# Altium PCB ALCT_MEZ_LX100.PcbDoc (part 2 of 10) (continued)
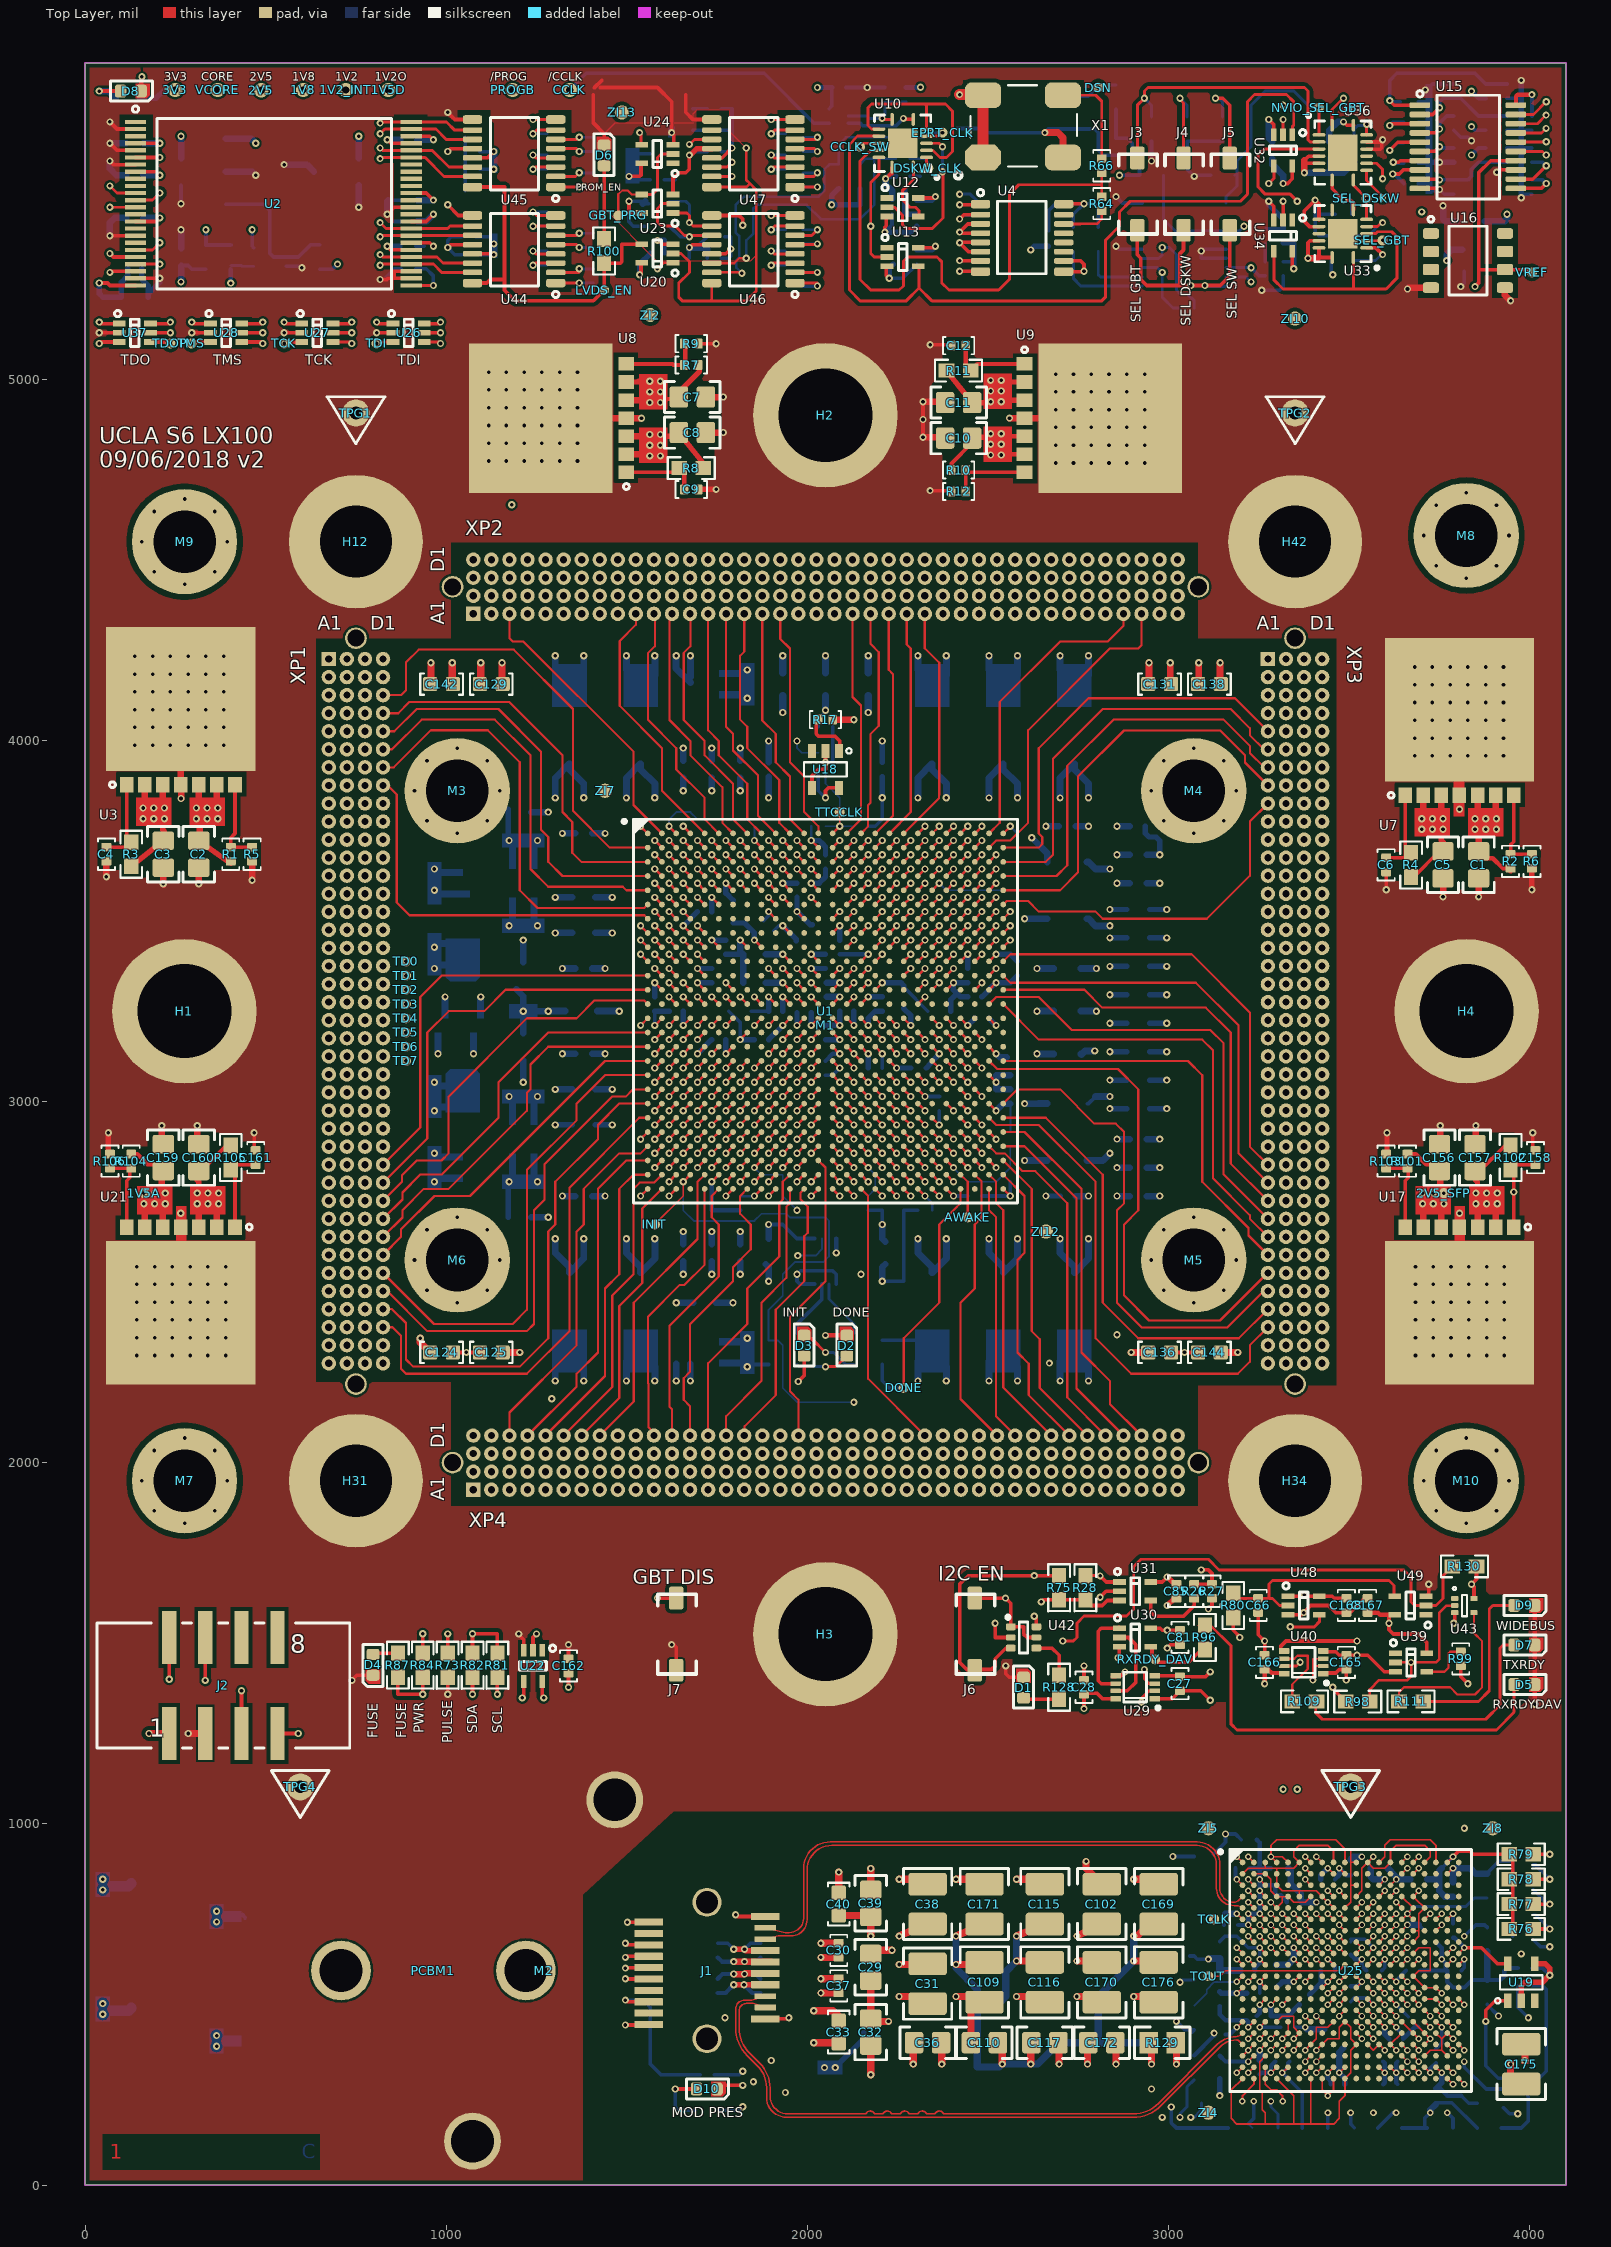
[diagram p0: Top Layer view]
## Part data (continued)
M3 M4 M5 M6 M7 M8 M9 M10: library part Wurth/9774030360R, "9774030360R 3mm SMD Standoff", Case/Package=SMD/SMT, Manufacturer="Wurth Electronics", Manufacturer Part Number=9774030360R, Supplier Part Number 1=732-5270-6-ND, ComponentLink1Description=https://datasheet.ciiva.com/46421/1849514-46421897.pdf, ComponentLink1URL=https://datasheet.ciiva.com/46421/1849514-46421897.pdf, Lead Free="Lead Free", Length=0.173inch, Material=Steel, Mount=External, Outside Diameter=0.236inch, Plating=Tin, Pricing 1="1=1.65, 10=1.523, 50=1.411, 100=1.21 (USD)", REACH SVHC=Unknown, Stock 1=18011, Supplier 1=Digi-Key, Threaded/Unthreaded=Threaded, Thread Size=M3, Width=6mm
PCBM1: "CERN VTRX V2.1 Multi-Mode (MM)", Manufacturer=CERN, Part Number="PCBM_CERN_VTRX V2.1 (MM)_a", Author="CERN DEM JLC", Bonding=No, ComponentHeight=16.5mm, Component Type=Standard, CreateDate=19/12/2013, Device="VTRX-V2.1 (MM)", HelpURL="\\cern.ch\dfs\Applications\Altium\Datasheets\PCBM_CERN_VTRX V2.1 (MM).pdf", LatestRevisionDate=19/12/2013, Manufacturer Part Number="VTRX-V2.1 (MM)", Mounted=Yes, PackageDescription="Versatile Transceiver Module", Part Description="Versatile Transceiver Module VTRX V2.1 Multi-Mode Configuration (MM)", Pin Count=0, PressFit=No, Sense=No, SMD=No, Socket=No
R1 R101: library part ERA-2AEB122X, "RES SMD 1.2K OHM 0.1% 1/16W 0402", Manufacturer="Panasonic Electronic Components", Operating Temperature="-55°C ~ 155°C", Package=0402, Package / Case="0402 (1005 Metric)", Power (Watts)="0.063W, 1/16W", Supplier Part Number 1=P1.2KDCCT-ND, Temperature Coefficient=±25ppm/°C, Tolerance=±0.1%, Category=Resistors, ComponentLink1Description=https://industrial.panasonic.com/cdbs/www-data/pdf/RDM0000/AOA0000C307.pdf, ComponentLink1URL=https://industrial.panasonic.com/cdbs/www-data/pdf/RDM0000/AOA0000C307.pdf, Composition="Thin Film", Failure Rate=-, Features="Automotive AEC-Q200", Height - Seated (Max)="0.016\" (0.40mm)", Manufacturer Part Number=ERA-2AEB122X, Packaging="Cut Tape (CT)", Part Status=Active, Pricing 1="1=0.45, 10=0.321, 100=0.1283, 1000=0.06322, 2500=0.05858, 5000=0.053 (USD)", Pricing 2="1=0.45, 10=0.321, 100=0.1283, 1000=0.06322, 2500=0.05858, 5000=0.053 (USD)", RoHS="RoHS Compliant", Size / Dimension="0.039\" L x 0.020\" W (1.00mm x 0.50mm)", Stock 1=25790, Stock 2=25790, Supplier 1=Digi-Key, Supplier 2=Digi-Key, Supplier Device Package=0402, Supplier Part Number 2=P1.2KDCDKR-ND
R2 R104: library part ERA-2AEB202X, "RES SMD 2.0K OHM 0.1% 1/16W 0402", Manufacturer="Panasonic Electronic Components", Operating Temperature="-55°C ~ 155°C", Package=0402, Package / Case="0402 (1005 Metric)", Power (Watts)="0.063W, 1/16W", Supplier Part Number 1=P2.0KDCDKR-ND, Temperature Coefficient=±25ppm/°C, Tolerance=±0.1%, Category=Resistors, ComponentLink1Description=https://industrial.panasonic.com/cdbs/www-data/pdf/RDM0000/AOA0000C307.pdf, ComponentLink1URL=https://industrial.panasonic.com/cdbs/www-data/pdf/RDM0000/AOA0000C307.pdf, Composition="Thin Film", Failure Rate=-, Features="Automotive AEC-Q200", Height - Seated (Max)="0.016\" (0.40mm)", Manufacturer Part Number=ERA-2AEB202X, Packaging=Digi-Reel®, Part Status=Active, Pricing 1="1=0.45, 10=0.321, 100=0.1283, 1000=0.06322, 2500=0.05858, 5000=0.053 (USD)", Pricing 2="1=0.45, 10=0.321, 100=0.1283, 1000=0.06322, 2500=0.05858, 5000=0.053 (USD)", RoHS="RoHS Compliant", Size / Dimension="0.039\" L x 0.020\" W (1.00mm x 0.50mm)", Stock 1=204508, Stock 2=204508, Supplier 1=Digi-Key, Supplier 2=Digi-Key, Supplier Device Package=0402, Supplier Part Number 2=P2.0KDCCT-ND
R3 R4 R8 R11 R20 R21 R22 R23 R28 R29 R44 R45 R46 R47 R48 R49 R50 R52 R53 R54 R55 R56 R57 R58 R59 R60 R61 R68 R69 R70 R71 R72 R73 R74 R75 R76 R79 R80 R81 R82 R83 R85 R86 R88 R89 R98 R102 R105 R130: library part CR0603-FX-4701ELF, "RES SMD 4.7K OHM 1% 1/10W 0603", Manufacturer="Bourns Inc.", Operating Temperature="-55°C ~ 155°C", Package / Case="0603 (1608 Metric)", Power (Watts)="0.1W, 1/10W", Supplier Device Package=0603, Supplier Part Number 1=CR0603-FX-4701ELFCT-ND, Temperature Coefficient=±100ppm/°C, Tolerance=±1%, Category=Resistors, ComponentLink1Description=http://www.bourns.com/docs/Product-Datasheets/CHPREZTR.pdf, ComponentLink1URL=http://www.bourns.com/docs/Product-Datasheets/CHPREZTR.pdf, Composition="Thick Film", Failure Rate=-, Features="Moisture Resistant", Height - Seated (Max)="0.022\" (0.55mm)", Manufacturer Part Number=CR0603-FX-4701ELF, Packaging="Cut Tape (CT)", Part Status=Active, Pricing 1="1=0.1, 10=0.021, 100=0.0086, 1000=0.00385, 2500=0.00334 (USD)", Pricing 2="1=0.1, 10=0.021, 100=0.0086, 1000=0.00385, 2500=0.00334 (USD)", Resistance (Ohms)=4.7k, RoHS="RoHS Compliant", Size / Dimension="0.063\" L x 0.031\" W (1.60mm x 0.80mm)", Stock 1=43560, Stock 2=43560, Supplier 1=Digi-Key, Supplier 2=Digi-Key, Supplier Part Number 2=CR0603-FX-4701ELFDKR-ND
R5 R103: library part ERA-2AEB301X, "RES SMD 300 OHM 0.1% 1/16W 0402", Manufacturer="Panasonic Electronic Components", Operating Temperature="-55°C ~ 155°C", Package=0402, Package / Case="0402 (1005 Metric)", Power (Watts)="0.063W, 1/16W", Supplier Part Number 1=P300DCCT-ND, Temperature Coefficient=±25ppm/°C, Tolerance=±0.1%, Category=Resistors, ComponentLink1Description=https://industrial.panasonic.com/cdbs/www-data/pdf/RDM0000/AOA0000C307.pdf, ComponentLink1URL=https://industrial.panasonic.com/cdbs/www-data/pdf/RDM0000/AOA0000C307.pdf, Composition="Thin Film", Failure Rate=-, Features="Automotive AEC-Q200", Height - Seated (Max)="0.016\" (0.40mm)", Manufacturer Part Number=ERA-2AEB301X, Packaging="Cut Tape (CT)", Part Status=Active, Pricing 1="1=0.45, 10=0.321, 100=0.1283, 1000=0.06322, 2500=0.05858, 5000=0.053 (USD)", Pricing 2="1=0.45, 10=0.321, 100=0.1283, 1000=0.06322, 2500=0.05858, 5000=0.053 (USD)", RoHS="RoHS Compliant", Size / Dimension="0.039\" L x 0.020\" W (1.00mm x 0.50mm)", Stock 1=31760, Stock 2=31760, Supplier 1=Digi-Key, Supplier 2=Digi-Key, Supplier Device Package=0402, Supplier Part Number 2=P300DCDKR-ND
R6 R25 R106: library part ERA-2AEB102X, "RES SMD 1.0K OHM 0.1% 1/16W 0402", Manufacturer="Panasonic Electronic Components", Operating Temperature="-55°C ~ 155°C", Package=0402, Package / Case="0402 (1005 Metric)", Power (Watts)="0.063W, 1/16W", Supplier Part Number 1=P1.0KDCCT-ND, Temperature Coefficient=±25ppm/°C, Tolerance=±0.1%, Category=Resistors, ComponentLink1Description=https://industrial.panasonic.com/cdbs/www-data/pdf/RDM0000/AOA0000C307.pdf, ComponentLink1URL=https://industrial.panasonic.com/cdbs/www-data/pdf/RDM0000/AOA0000C307.pdf, Composition="Thin Film", Failure Rate=-, Features="Automotive AEC-Q200", Height - Seated (Max)="0.016\" (0.40mm)", Manufacturer Part Number=ERA-2AEB102X, Packaging="Cut Tape (CT)", Part Status=Active, Pricing 1="1=0.45, 10=0.321, 100=0.1283, 1000=0.06322, 2500=0.05858, 5000=0.053 (USD)", Pricing 2="1=0.45, 10=0.321, 100=0.1283, 1000=0.06322, 2500=0.05858, 5000=0.053 (USD)", RoHS="RoHS Compliant", Size / Dimension="0.039\" L x 0.020\" W (1.00mm x 0.50mm)", Stock 1=473705, Stock 2=473705, Supplier 1=Digi-Key, Supplier 2=Digi-Key, Supplier Device Package=0402, Supplier Part Number 2=P1.0KDCDKR-ND
R7 R14 R16 R107 R108: library part ERA-2AEB512X, "RES SMD 5.1K OHM 0.1% 1/16W 0402", Manufacturer="Panasonic Electronic Components", Operating Temperature="-55°C ~ 155°C", Package / Case="0402 (1005 Metric)", Power (Watts)="0.063W, 1/16W", Supplier Device Package=0402, Supplier Part Number 1=P5.1KDCCT-ND, Temperature Coefficient=±25ppm/°C, Tolerance=±0.1%, Category=Resistors, ComponentLink1Description=https://industrial.panasonic.com/cdbs/www-data/pdf/RDA0000/AOA0000C237.pdf, ComponentLink1URL=https://industrial.panasonic.com/cdbs/www-data/pdf/RDA0000/AOA0000C237.pdf, Composition="Thin Film", Failure Rate=-, Features="Automotive AEC-Q200", Height - Seated (Max)="0.016\" (0.40mm)", Manufacturer Part Number=ERA-2AEB512X, Number of Terminations=2, Packaging="Cut Tape (CT)", Part Status=Active, Pricing 1="1=0.61, 50=0.238, 100=0.1913, 250=0.14876, 500=0.1122, 1000=0.0867, 5000=0.0646 (USD)", Pricing 2="1=0.61, 50=0.238, 100=0.1913, 250=0.14876, 500=0.1122, 1000=0.0867, 5000=0.0646 (USD)", Resistance (Ohms)=5.1k, RoHS="RoHS Compliant", Size / Dimension="0.039\" L x 0.020\" W (1.00mm x 0.50mm)", Stock 1=26098, Stock 2=26098, Supplier 1=Digi-Key, Supplier 2=Digi-Key, Supplier Part Number 2=P5.1KDCDKR-ND
R9 R27: library part ERA-2AEB1961X, "RES SMD 1.96K OHM 0.1% 1/16W 0402", Manufacturer="Panasonic Electronic Components", Operating Temperature="-55°C ~ 155°C", Package=0402, Package / Case="0402 (1005 Metric)", Power (Watts)="0.063W, 1/16W", Supplier Part Number 1=P1.96KDCCT-ND, Temperature Coefficient=±25ppm/°C, Tolerance=±0.1%, Category=Resistors, ComponentLink1Description=https://industrial.panasonic.com/cdbs/www-data/pdf/RDM0000/AOA0000C307.pdf, ComponentLink1URL=https://industrial.panasonic.com/cdbs/www-data/pdf/RDM0000/AOA0000C307.pdf, Composition="Thin Film", Failure Rate=-, Features="Automotive AEC-Q200", Height - Seated (Max)="0.016\" (0.40mm)", Manufacturer Part Number=ERA-2AEB1961X, Packaging="Cut Tape (CT)", Part Status=Active, Pricing 1="1=0.45, 10=0.321, 100=0.1283, 1000=0.06322, 2500=0.05858, 5000=0.053 (USD)", Pricing 2="1=0.45, 10=0.321, 100=0.1283, 1000=0.06322, 2500=0.05858, 5000=0.053 (USD)", RoHS="RoHS Compliant", Size / Dimension="0.039\" L x 0.020\" W (1.00mm x 0.50mm)", Stock 1=36796, Stock 2=36796, Supplier 1=Digi-Key, Supplier 2=Digi-Key, Supplier Device Package=0402, Supplier Part Number 2=P1.96KDCDKR-ND
R10: library part ERA-2AEB182X, "RES SMD 1.8k OHM 0.1% 1/16W 0402", Manufacturer="Panasonic Electronic Components", Operating Temperature="-55°C ~ 155°C", Package / Case="0402 (1005 Metric)", Power (Watts)="0.063W, 1/16W", Supplier Device Package=0402, Supplier Part Number 1=P1.8KDCCT-ND, Temperature Coefficient=±25ppm/°C, Tolerance=±0.1%, Category=Resistors, ComponentLink1Description=https://industrial.panasonic.com/cdbs/www-data/pdf/RDA0000/AOA0000C237.pdf, ComponentLink1URL=https://industrial.panasonic.com/cdbs/www-data/pdf/RDA0000/AOA0000C237.pdf, Composition="Thin Film", Failure Rate=-, Features="Automotive AEC-Q200", Height - Seated (Max)="0.016\" (0.40mm)", Manufacturer Part Number=ERA-2AEB182X, Number of Terminations=2, Packaging="Cut Tape (CT)", Part Status=Active, Pricing 1="1=0.6, 50=0.2484, 100=0.2052, 250=0.162, 500=0.13824, 1000=0.10368, 5000=0.07776 (USD)", Pricing 2="1=0.6, 50=0.2484, 100=0.2052, 250=0.162, 500=0.13824, 1000=0.10368, 5000=0.07776 (USD)", Resistance (Ohms)=1.8k, RoHS="RoHS Compliant", Size / Dimension="0.039\" L x 0.020\" W (1.00mm x 0.50mm)", Stock 1=39375, Stock 2=39375, Supplier 1=Digi-Key, Supplier 2=Digi-Key, Supplier Part Number 2=P1.8KDCDKR-ND
R12: library part ERA-2AEB132X, "RES SMD 1.3k OHM 0.1% 1/16W 0402", Manufacturer="Panasonic Electronic Components", Operating Temperature="-55°C ~ 155°C", Package / Case="0402 (1005 Metric)", Power (Watts)="0.063W, 1/16W", Supplier Device Package=0402, Supplier Part Number 1=P1.3KDCCT-ND, Temperature Coefficient=±25ppm/°C, Tolerance=±0.1%, Category=Resistors, ComponentLink1Description=https://industrial.panasonic.com/cdbs/www-data/pdf/RDM0000/AOA0000C307.pdf, ComponentLink1URL=https://industrial.panasonic.com/cdbs/www-data/pdf/RDM0000/AOA0000C307.pdf, Composition="Thin Film", Failure Rate=-, Features="Automotive AEC-Q200", Height - Seated (Max)="0.016\" (0.40mm)", Manufacturer Part Number=ERA-2AEB132X, Packaging="Cut Tape (CT)", Part Status=Active, Pricing 1="1=0.45, 10=0.321, 100=0.1283, 1000=0.06322, 2500=0.05858, 5000=0.053 (USD)", Pricing 2="1=0.45, 10=0.321, 100=0.1283, 1000=0.06322, 2500=0.05858, 5000=0.053 (USD)", RoHS="RoHS Compliant", Size / Dimension="0.039\" L x 0.020\" W (1.00mm x 0.50mm)", Stock 1=249, Stock 2=249, Supplier 1=Digi-Key, Supplier 2=Digi-Key, Supplier Part Number 2=P1.3KDCDKR-ND
R13 R15 R19: library part ERA-2AEB512X, "RES SMD 5.1K OHM 0.1% 1/16W 0402", Manufacturer="Panasonic Electronic Components", Operating Temperature="-55°C ~ 155°C", Package / Case="0402 (1005 Metric)", Power (Watts)="0.063W, 1/16W", Resistance (Ohms)=5.1k, Supplier Device Package=0402, Supplier Part Number 1=P5.1KDCCT-ND, Temperature Coefficient=±25ppm/°C, Tolerance=±0.1%, Category=Resistors, ComponentLink1Description=https://industrial.panasonic.com/cdbs/www-data/pdf/RDA0000/AOA0000C237.pdf, ComponentLink1URL=https://industrial.panasonic.com/cdbs/www-data/pdf/RDA0000/AOA0000C237.pdf, Composition="Thin Film", Failure Rate=-, Features="Automotive AEC-Q200", Height - Seated (Max)="0.016\" (0.40mm)", Manufacturer Part Number=ERA-2AEB512X, Number of Terminations=2, Packaging="Cut Tape (CT)", Part Status=Active, Pricing 1="1=0.61, 50=0.238, 100=0.1913, 250=0.14876, 500=0.1122, 1000=0.0867, 5000=0.0646 (USD)", Pricing 2="1=0.61, 50=0.238, 100=0.1913, 250=0.14876, 500=0.1122, 1000=0.0867, 5000=0.0646 (USD)", RoHS="RoHS Compliant", Size / Dimension="0.039\" L x 0.020\" W (1.00mm x 0.50mm)", Stock 1=26098, Stock 2=26098, Supplier 1=Digi-Key, Supplier 2=Digi-Key, Supplier Part Number 2=P5.1KDCDKR-ND
R17 R18: library part ERJ-2RKF7680X, "RES SMD 768 OHM 5.0% 1/10W 0402", Manufacturer="Panasonic Electronic Components", Operating Temperature="-55°C ~ 155°C", Package / Case="0402 (1005 Metric)", Power (Watts)="0.1W, 1/10W", Supplier Device Package=0402, Supplier Part Number 1=P768LCT-ND, Temperature Coefficient=±100ppm/°C, Tolerance=±1%, Category=Resistors, ComponentLink1Description=https://industrial.panasonic.com/cdbs/www-data/pdf/RDA0000/AOA0000C304.pdf, ComponentLink1URL=https://industrial.panasonic.com/cdbs/www-data/pdf/RDA0000/AOA0000C304.pdf, Composition="Thick Film", Failure Rate=-, Features="Automotive AEC-Q200", Height - Seated (Max)="0.016\" (0.40mm)", Manufacturer Part Number=ERJ-2RKF7680X, Packaging="Cut Tape (CT)", Part Status=Active, Pricing 1="1=0.1, 10=0.039, 100=0.016, 1000=0.00719, 2500=0.00624, 5000=0.00515 (USD)", Pricing 2="1=0.1, 10=0.039, 100=0.016, 1000=0.00719, 2500=0.00624, 5000=0.00515 (USD)", RoHS="RoHS Compliant", Size / Dimension="0.039\" L x 0.020\" W (1.00mm x 0.50mm)", Stock 1=54378, Stock 2=54378, Supplier 1=Digi-Key, Supplier 2=Digi-Key, Supplier Part Number 2=P768LDKR-ND
R24 R32 R96 R109 R111: library part CR0603-FX-3300ELF, "RES SMD 330 OHM 1% 1/10W 0603", Manufacturer="Bourns Inc.", Operating Temperature="-55°C ~ 155°C", Package / Case="0603 (1608 Metric)", Power (Watts)="0.1W, 1/10W", Resistance (Ohms)=330, Supplier Device Package=0603, Supplier Part Number 1=CR0603-FX-3300ELFCT-ND, Temperature Coefficient=±100ppm/°C, Tolerance=±1%, Category=Resistors, ComponentLink1Description=http://www.bourns.com/docs/Product-Datasheets/CHPREZTR.pdf, ComponentLink1URL=http://www.bourns.com/docs/Product-Datasheets/CHPREZTR.pdf, Composition="Thick Film", Failure Rate=-, Features="Moisture Resistant", Height - Seated (Max)="0.022\" (0.55mm)", Manufacturer Part Number=CR0603-FX-3300ELF, Packaging="Cut Tape (CT)", Part Status=Active, Pricing 1="1=0.1, 10=0.023, 100=0.0092, 1000=0.00414, 2500=0.00359 (USD)", Pricing 2="1=0.1, 10=0.023, 100=0.0092, 1000=0.00414, 2500=0.00359 (USD)", RoHS="RoHS Compliant", Size / Dimension="0.063\" L x 0.031\" W (1.60mm x 0.80mm)", Stock 1=45245, Stock 2=45245, Supplier 1=Digi-Key, Supplier 2=Digi-Key, Supplier Part Number 2=CR0603-FX-3300ELFDKR-ND
R26: library part ERA-2AEB162X, "RES SMD 1.6K OHM 0.1% 1/16W 0402", Manufacturer="Panasonic Electronic Components", Operating Temperature="-55°C ~ 155°C", Package=0402, Package / Case="0402 (1005 Metric)", Power (Watts)="0.063W, 1/16W", Supplier Part Number 1=P1.6KDCCT-ND, Temperature Coefficient=±25ppm/°C, Tolerance=±0.1%, Category=Resistors, ComponentLink1Description=https://industrial.panasonic.com/cdbs/www-data/pdf/RDA0000/AOA0000C237.pdf, ComponentLink1URL=https://industrial.panasonic.com/cdbs/www-data/pdf/RDA0000/AOA0000C237.pdf, Composition="Thin Film", Failure Rate=-, Features="Automotive AEC-Q200", Height - Seated (Max)="0.016\" (0.40mm)", Manufacturer Part Number=ERA-2AEB162X, Number of Terminations=2, Packaging="Cut Tape (CT)", Part Status=Active, Pricing 1="1=0.61, 50=0.238, 100=0.1913, 250=0.14876, 500=0.1122, 1000=0.0867, 5000=0.0646 (USD)", Pricing 2="1=0.61, 50=0.238, 100=0.1913, 250=0.14876, 500=0.1122, 1000=0.0867, 5000=0.0646 (USD)", Resistance (Ohms)=1.6k, RoHS="RoHS Compliant", Size / Dimension="0.039\" L x 0.020\" W (1.00mm x 0.50mm)", Stock 1=15584, Stock 2=15584, Supplier 1=Digi-Key, Supplier 2=Digi-Key, Supplier Device Package=0402, Supplier Part Number 2=P1.6KDCDKR-ND
R30 R67 R77: library part "RES999G 0603", "RES SMD 999G OHM 5% 1/10W 0603", Manufacturer Part Number="Do Not Place", Supplier Device Package=0603
R31 R33: library part CR0603-FX-4701ELF, "RES SMD 4.7K OHM 1% 1/10W 0603", Manufacturer="Bourns Inc.", Operating Temperature="-55°C ~ 155°C", Package / Case="0603 (1608 Metric)", Power (Watts)="0.1W, 1/10W", Resistance (Ohms)=4.7k, Supplier Device Package=0603, Supplier Part Number 1=CR0603-FX-4701ELFCT-ND, Temperature Coefficient=±100ppm/°C, Tolerance=±1%, Category=Resistors, ComponentLink1Description=http://www.bourns.com/docs/Product-Datasheets/CHPREZTR.pdf, ComponentLink1URL=http://www.bourns.com/docs/Product-Datasheets/CHPREZTR.pdf, Composition="Thick Film", Failure Rate=-, Features="Moisture Resistant", Height - Seated (Max)="0.022\" (0.55mm)", Manufacturer Part Number=CR0603-FX-4701ELF, Packaging="Cut Tape (CT)", Part Status=Active, Pricing 1="1=0.1, 10=0.021, 100=0.0086, 1000=0.00385, 2500=0.00334 (USD)", Pricing 2="1=0.1, 10=0.021, 100=0.0086, 1000=0.00385, 2500=0.00334 (USD)", RoHS="RoHS Compliant", Size / Dimension="0.063\" L x 0.031\" W (1.60mm x 0.80mm)", Stock 1=43560, Stock 2=43560, Supplier 1=Digi-Key, Supplier 2=Digi-Key, Supplier Part Number 2=CR0603-FX-4701ELFDKR-ND
R34 R90 R91 R92 R94 R95: library part ERJ-2RKF1100X, "RES SMD 110 OHM 1% 1/10W 0402", Manufacturer="Panasonic Electronic Components", Operating Temperature="-55°C ~ 155°C", Package / Case="0402 (1005 Metric)", Power (Watts)="0.1W, 1/10W", Supplier Device Package=0402, Supplier Part Number 1=P110LCT-ND, Temperature Coefficient=±100ppm/°C, Tolerance=±1%, Category=Resistors, ComponentLink1Description=https://industrial.panasonic.com/cdbs/www-data/pdf/RDA0000/AOA0000C304.pdf, ComponentLink1URL=https://industrial.panasonic.com/cdbs/www-data/pdf/RDA0000/AOA0000C304.pdf, Composition="Thick Film", Failure Rate=-, Features="Automotive AEC-Q200", Height - Seated (Max)="0.016\" (0.40mm)", Manufacturer Part Number=ERJ-2RKF1100X, Packaging="Cut Tape (CT)", Part Status=Active, Pricing 1="1=0.1, 10=0.039, 100=0.016, 1000=0.00719, 2500=0.00624, 5000=0.00515 (USD)", Pricing 2="1=0.1, 10=0.039, 100=0.016, 1000=0.00719, 2500=0.00624, 5000=0.00515 (USD)", RoHS="RoHS Compliant", Size / Dimension="0.039\" L x 0.020\" W (1.00mm x 0.50mm)", Stock 1=171366, Stock 2=171366, Supplier 1=Digi-Key, Supplier 2=Digi-Key, Supplier Part Number 2=P110LDKR-ND
R35 R41 R87 R100 R110 R128: library part CR0603-FX-5100ELF, "RES SMD 510 OHM 1% 1/10W 0603", Manufacturer="Bourns Inc.", Operating Temperature="-55°C ~ 155°C", Package / Case="0603 (1608 Metric)", Power (Watts)="0.1W, 1/10W", Supplier Device Package=0603, Supplier Part Number 1=CR0603-FX-5100ELFDKR-ND, Temperature Coefficient=±100ppm/°C, Tolerance=±1%, Category=Resistors, ComponentLink1Description=https://www.bourns.com/docs/Product-Datasheets/CHPREZTR.pdf, ComponentLink1URL=https://www.bourns.com/docs/Product-Datasheets/CHPREZTR.pdf, Composition="Thick Film", Failure Rate=-, Features="Moisture Resistant", Height - Seated (Max)="0.022\" (0.55mm)", Manufacturer Part Number=CR0603-FX-5100ELF, Packaging=Digi-Reel®, Part Status=Active, Pricing 1="1=0.1, 10=0.021, 100=0.0086, 1000=0.00385, 2500=0.00334 (USD)", RoHS="RoHS Compliant", Size / Dimension="0.063\" L x 0.032\" W (1.60mm x 0.80mm)", Stock 1=523, Supplier 1=Digi-Key
R36 R37 R38 R39: library part ERJ-2GE0R00X, "RES SMD 0.0OHM JUMPER 1/10W 0402", Manufacturer="Panasonic Electronic Components", Operating Temperature="-55°C ~ 155°C", Package / Case="0402 (1005 Metric)", Power (Watts)="0.1W, 1/10W", Resistance (Ohms)=0.0, Supplier Device Package=0402, Supplier Part Number 1=P0.0JCT-ND, Temperature Coefficient=-, Tolerance=Jumper, Category=Resistors, ComponentLink1Description=http://industrial.panasonic.com/www-cgi/jvcr13pz.cgi?E+PZ+3+AOA0001+ERJ2GE0R00X+7+WW, ComponentLink1URL=http://industrial.panasonic.com/www-cgi/jvcr13pz.cgi?E+PZ+3+AOA0001+ERJ2GE0R00X+7+WW, Composition="Thick Film", Failure Rate=-, Features="Automotive AEC-Q200", Height - Seated (Max)="0.016\" (0.40mm)", Manufacturer Part Number=ERJ-2GE0R00X, Number of Terminations=2, Packaging="Cut Tape (CT)", Part Status=Active, Pricing 1="1=0.1, 50=0.0138, 100=0.0105, 250=0.0078, 500=0.00576, 1000=0.00384, 5000=0.0027 (USD)", Pricing 2="1=0.1, 50=0.0138, 100=0.0105, 250=0.0078, 500=0.00576, 1000=0.00384, 5000=0.0027 (USD)", RoHS="RoHS Compliant", Size / Dimension="0.039\" L x 0.020\" W (1.00mm x 0.50mm)", Stock 1=3132025, Stock 2=3132025, Supplier 1=Digi-Key, Supplier 2=Digi-Key, Supplier Part Number 2=P0.0JDKR-ND